# Altium PCB CC_V1.4.PcbDoc (part 6 of 8)
Units mm, origin at the board's own origin, x right, y up, seen from the top; angles counter-clockwise.
Board outline 145 x 123.85 mm, 4 copper layers (Top, GND, Power Plane, Bottom), stack 1.573 mm thick; 334 components, 307 nets, 1570 pads, 1725 vias.
Unrouted connection lines stored in the file: 33.
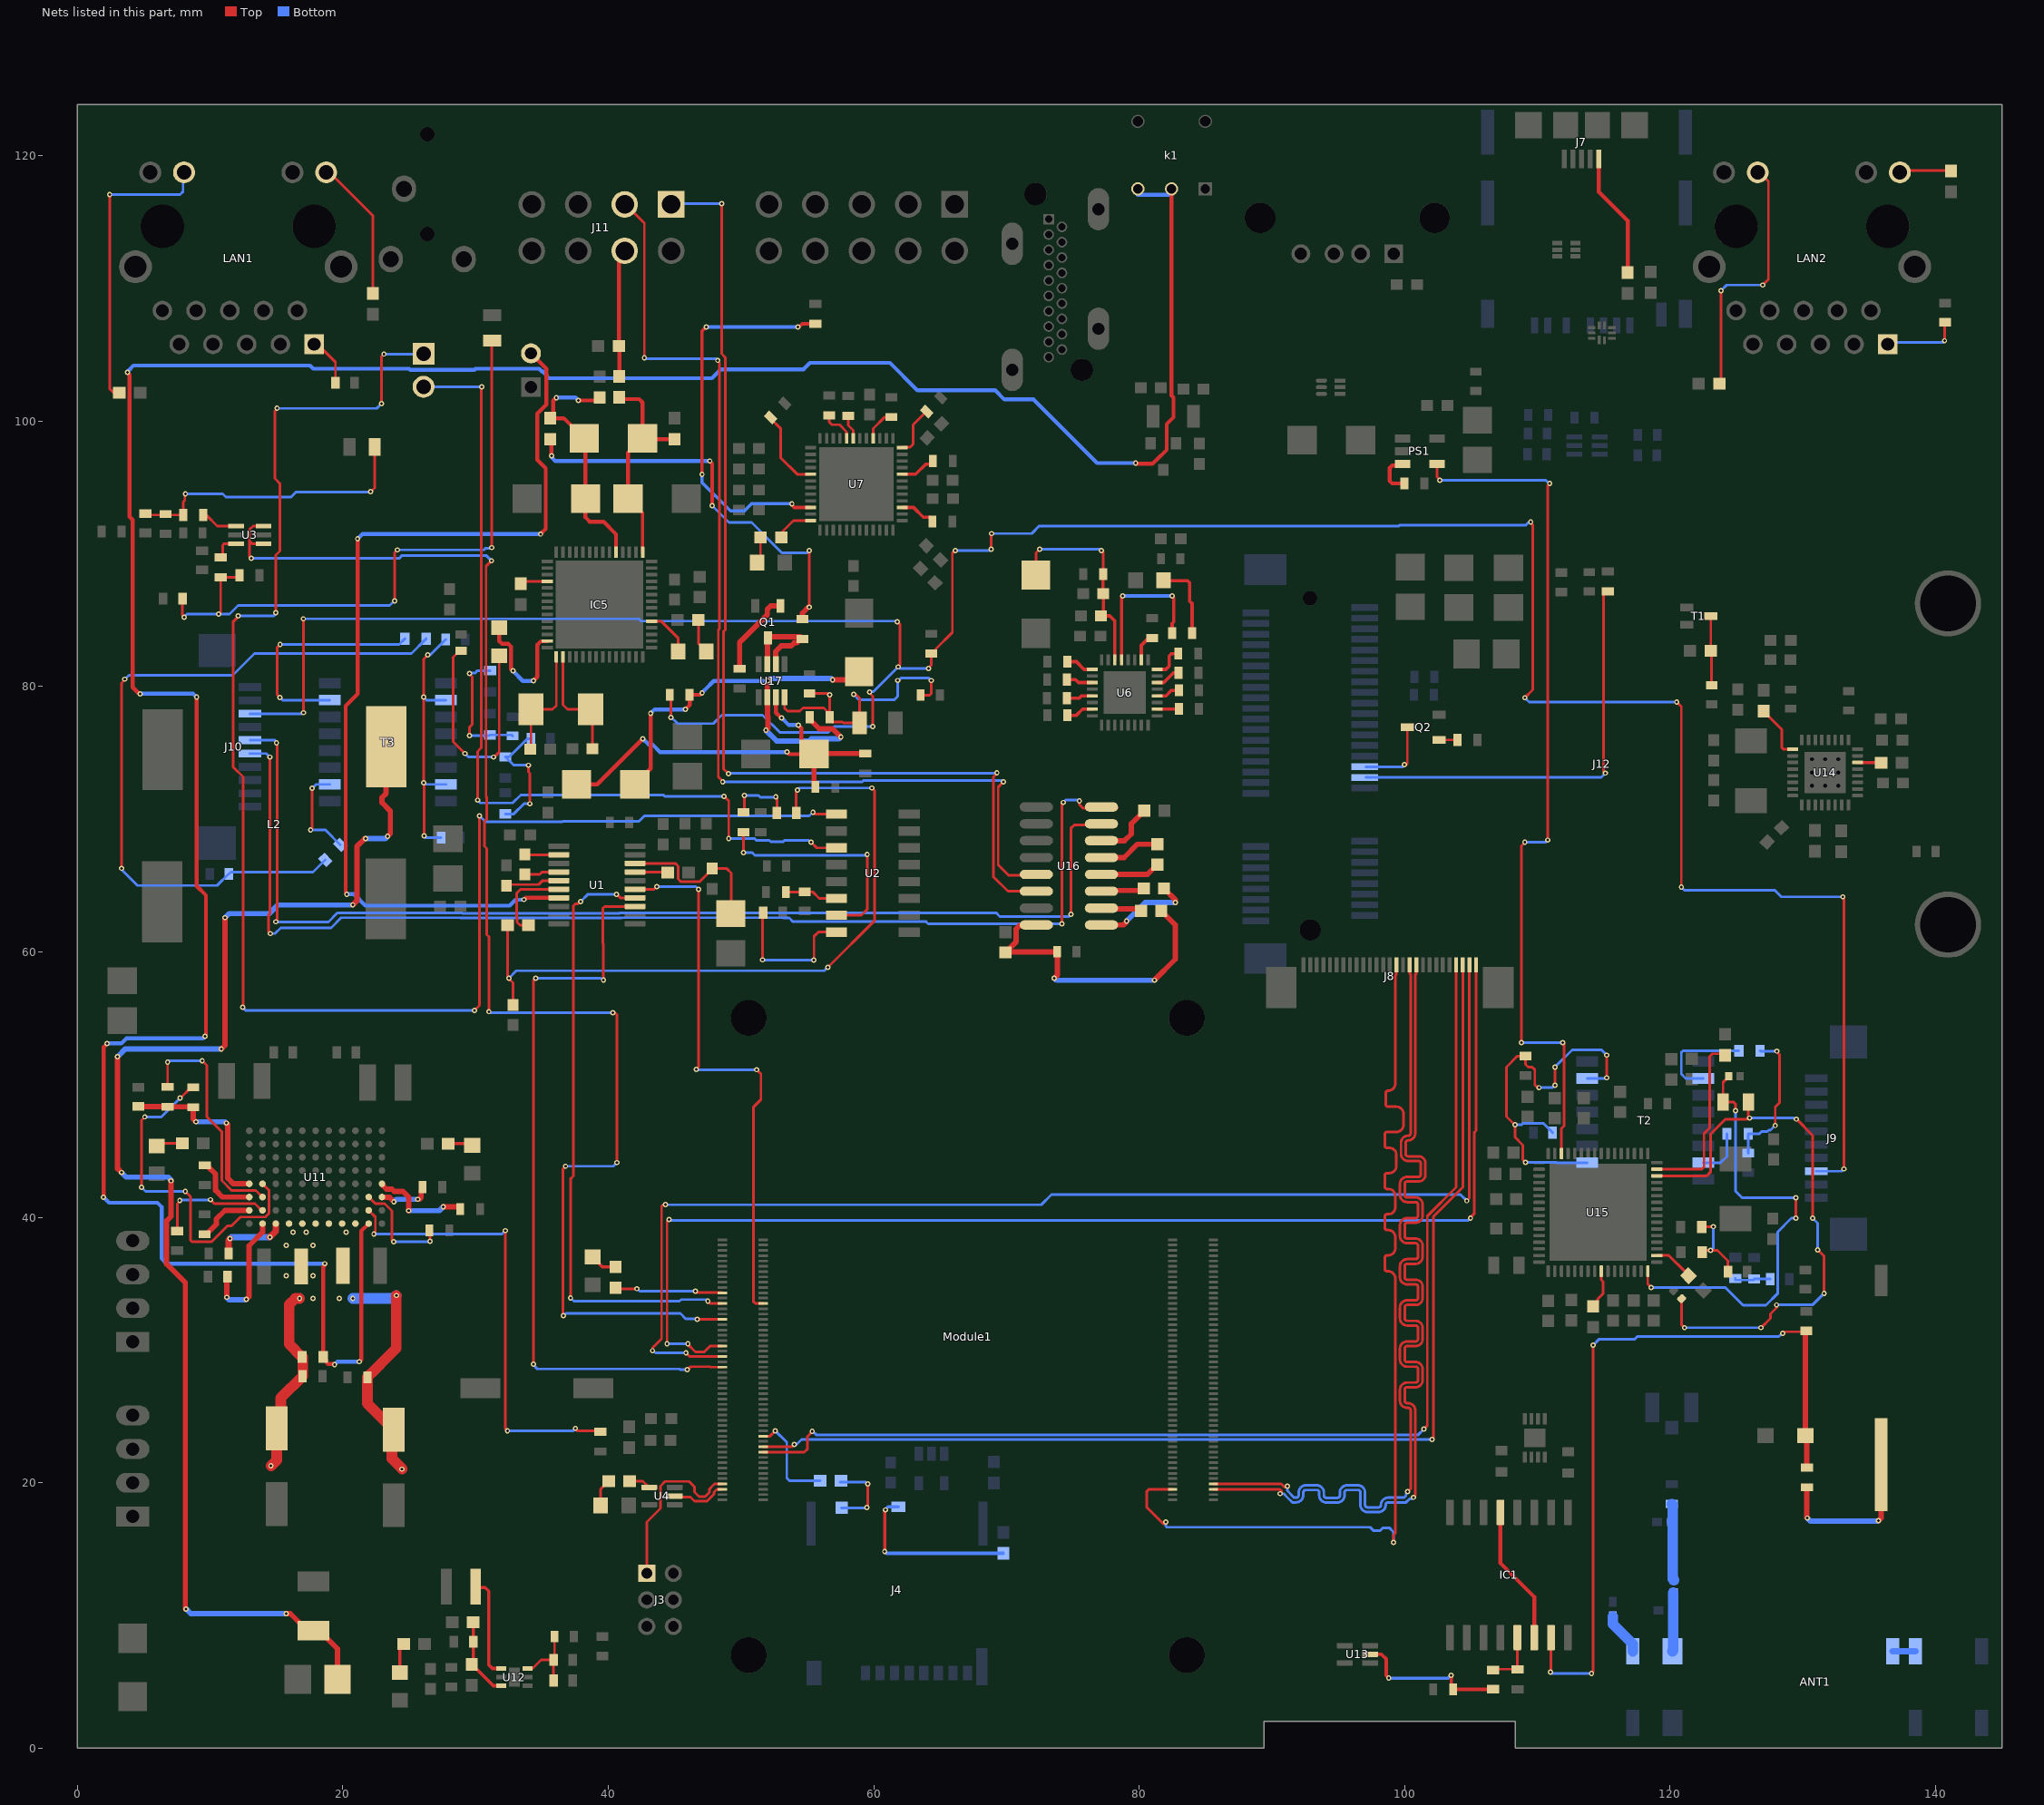
[diagram p8: the nets of this part, all layers, seen from the top]

## Via types
v1: diameter 0.4, hole 0.2, Top to Bottom, 1319 vias
v2: diameter 0.7, hole 0.4, Top to Bottom, 378 vias
v3: diameter 1.27, hole 0.711, Top to Bottom, 28 vias

## Nets (pads, with @x,y where several pads share a name; then routed paths per layer and width w, separated by ;. In a path a pad name is that pad's centre, name@x,y a point inside that pad or via, vN(x,y) a via of type N, cw(c..) or ccw(c..) an arc to the next point about the centre after c; other vN are vias at no path point) (continued)
MIPI_TD2_P: J8.15 Module1.195 | length 73.5
  Top w0.2: v1(81.991,17.043) 81.864,16.916 81.788,16.916 80.577,18.127 80.577,19.351 80.74,19.513 81.499,19.513 81.502,19.51 Module1.195@82.511,19.51 ; v1(99.162,15.494) 99.162,16.045 99.296,16.18 99.296,16.3 99.296,16.916 99.296,35.11 99.296,35.385 ccw(c98.746,35.385) 98.746,35.935 98.676,35.935 cw(c98.676,36.115) 98.496,36.115 98.496,36.955 cw(c98.676,36.955) 98.676,37.135 98.766,37.135 ccw(c98.766,37.665) 99.296,37.665 99.296,38.505 ccw(c98.766,38.505) 98.766,39.035 98.676,39.035 cw(c98.676,39.215) 98.496,39.215 98.496,40.055 cw(c98.676,40.055) 98.676,40.235 98.766,40.235 ccw(c98.766,40.765) 99.296,40.765 99.296,41.605 ccw(c98.766,41.605) 98.766,42.135 98.676,42.135 cw(c98.676,42.315) 98.496,42.315 98.496,43.155 cw(c98.676,43.155) 98.676,43.335 98.84,43.335 ccw(c98.84,43.865) 99.37,43.865 99.37,44.705 ccw(c98.84,44.705) 98.84,45.235 98.676,45.235 cw(c98.676,45.415) 98.496,45.415 98.496,46.255 cw(c98.676,46.255) 98.676,46.435 99.375,46.435 ccw(c99.375,46.965) 99.905,46.965 99.905,47.805 ccw(c99.375,47.805) 99.375,48.335 98.746,48.335 cw(c98.746,48.515) 98.566,48.515 98.566,49.355 cw(c98.746,49.355) 98.746,49.535 ccw(c98.746,50.085) 99.296,50.085 99.296,57.957 99.296,58.228 99.371,58.303 J8.15@99.371,58.953
  Bottom w0.2: v1(81.991,17.043) 81.991,16.732 82.077,16.646 97.393,16.646 97.637,16.403 98.169,16.403 98.373,16.607 98.832,16.607 99.157,16.282 v1@99.157,15.499
MIPI_TD3_N: J8.17 Module1.194 | length 72.9
  Top w0.2: Module1.194@85.591,19.91 86.717,19.91 90.694,19.91 90.951,19.653 91.078,19.653 v1(91.161,19.736) ; v1(100.225,19.325) 100.45,19.55 100.45,25.173 100.45,25.448 ccw(c100.25,25.448) 100.25,25.648 100.176,25.648 cw(c100.176,26.178) 99.646,26.178 99.646,27.018 cw(c100.176,27.018) 100.176,27.548 100.82,27.548 ccw(c100.82,27.728) 101,27.728 101,28.568 ccw(c100.82,28.568) 100.82,28.748 100.176,28.748 cw(c100.176,29.278) 99.646,29.278 99.646,30.118 cw(c100.176,30.118) 100.176,30.648 100.82,30.648 ccw(c100.82,30.828) 101,30.828 101,31.668 ccw(c100.82,31.668) 100.82,31.848 100.176,31.848 cw(c100.176,32.378) 99.646,32.378 99.646,33.218 cw(c100.176,33.218) 100.176,33.748 100.82,33.748 ccw(c100.82,33.928) 101,33.928 101,34.768 ccw(c100.82,34.768) 100.82,34.948 100.176,34.948 cw(c100.176,35.478) 99.646,35.478 99.646,36.318 cw(c100.176,36.318) 100.176,36.848 100.82,36.848 ccw(c100.82,37.028) 101,37.028 101,37.868 ccw(c100.82,37.868) 100.82,38.048 100.176,38.048 cw(c100.176,38.578) 99.646,38.578 99.646,39.418 cw(c100.176,39.418) 100.176,39.948 100.82,39.948 ccw(c100.82,40.128) 101,40.128 101,40.968 ccw(c100.82,40.968) 100.82,41.148 100.176,41.148 cw(c100.176,41.678) 99.646,41.678 99.646,42.518 cw(c100.176,42.518) 100.176,43.048 101.03,43.048 ccw(c101.03,43.228) 101.21,43.228 101.21,44.068 ccw(c101.03,44.068) 101.03,44.248 100.25,44.248 cw(c100.25,44.778) 99.72,44.778 99.72,45.618 cw(c100.25,45.618) 100.25,46.148 ccw(c100.25,46.348) 100.45,46.348 100.45,57.9 100.45,58.3 100.375,58.375 J8.17@100.375,59.025
  Bottom w0.2: v1(91.161,19.736) 91.161,19.389 91.676,18.874 91.811,18.874 ccw(c91.811,19.074) 92.011,19.074 92.011,19.272 cw(c92.541,19.272) 92.541,19.802 93.381,19.802 cw(c93.381,19.272) 93.911,19.272 93.911,19.042 ccw(c94.091,19.042) 94.091,18.862 94.931,18.862 ccw(c94.931,19.042) 95.111,19.042 95.111,19.272 cw(c95.641,19.272) 95.641,19.802 96.481,19.802 cw(c96.481,19.272) 97.011,19.272 97.011,18.323 ccw(c97.191,18.323) 97.191,18.143 98.031,18.143 ccw(c98.031,18.323) 98.211,18.323 98.211,18.324 cw(c98.761,18.324) 98.761,18.874 99.792,18.874 99.951,18.874 100.095,19.018 100.095,19.195 v1(100.225,19.325)
MIPI_TD3_P: J8.18 Module1.196 | length 73.6
  Top w0.2: Module1.196@85.591,19.51 86.717,19.51 90.599,19.51 90.694,19.415 90.703,19.406 90.703,19.279 v1(90.602,19.177) ; v1(100.649,18.901) 100.8,19.051 100.8,25.173 100.8,25.448 ccw(c100.25,25.448) 100.25,25.998 100.176,25.998 cw(c100.176,26.178) 99.996,26.178 99.996,27.018 cw(c100.176,27.018) 100.176,27.198 100.82,27.198 ccw(c100.82,27.728) 101.35,27.728 101.35,28.568 ccw(c100.82,28.568) 100.82,29.098 100.176,29.098 cw(c100.176,29.278) 99.996,29.278 99.996,30.118 cw(c100.176,30.118) 100.176,30.298 100.82,30.298 ccw(c100.82,30.828) 101.35,30.828 101.35,31.668 ccw(c100.82,31.668) 100.82,32.198 100.176,32.198 cw(c100.176,32.378) 99.996,32.378 99.996,33.218 cw(c100.176,33.218) 100.176,33.398 100.82,33.398 ccw(c100.82,33.928) 101.35,33.928 101.35,34.768 ccw(c100.82,34.768) 100.82,35.298 100.176,35.298 cw(c100.176,35.478) 99.996,35.478 99.996,36.318 cw(c100.176,36.318) 100.176,36.498 100.82,36.498 ccw(c100.82,37.028) 101.35,37.028 101.35,37.868 ccw(c100.82,37.868) 100.82,38.398 100.176,38.398 cw(c100.176,38.578) 99.996,38.578 99.996,39.418 cw(c100.176,39.418) 100.176,39.598 100.82,39.598 ccw(c100.82,40.128) 101.35,40.128 101.35,40.968 ccw(c100.82,40.968) 100.82,41.498 100.176,41.498 cw(c100.176,41.678) 99.996,41.678 99.996,42.518 cw(c100.176,42.518) 100.176,42.698 101.03,42.698 ccw(c101.03,43.228) 101.56,43.228 101.56,44.068 ccw(c101.03,44.068) 101.03,44.598 100.25,44.598 cw(c100.25,44.778) 100.07,44.778 100.07,45.618 cw(c100.25,45.618) 100.25,45.798 ccw(c100.25,46.348) 100.8,46.348 100.8,57.9 100.8,58.3 100.875,58.375 J8.18@100.875,59.025
  Bottom w0.2: v1(90.602,19.177) 90.878,19.177 91.161,18.894 91.531,18.524 91.811,18.524 ccw(c91.811,19.074) 92.361,19.074 92.361,19.272 cw(c92.541,19.272) 92.541,19.452 93.381,19.452 cw(c93.381,19.272) 93.561,19.272 93.561,19.042 ccw(c94.091,19.042) 94.091,18.512 94.931,18.512 ccw(c94.931,19.042) 95.461,19.042 95.461,19.272 cw(c95.641,19.272) 95.641,19.452 96.481,19.452 cw(c96.481,19.272) 96.661,19.272 96.661,18.323 ccw(c97.191,18.323) 97.191,17.793 98.031,17.793 ccw(c98.031,18.323) 98.561,18.323 98.561,18.324 cw(c98.761,18.324) 98.761,18.524 99.792,18.524 100.096,18.524 100.137,18.565 100.343,18.771 100.52,18.771 v1(100.649,18.901)
MIPI_TP_I2C_SCL: J8.25 Module1.80 | length 87.6
  Top w0.2: Module1.80@51.671,22.71 53.825,22.71 v1(54,22.885) ; v1(102.066,23.266) 102.15,23.35 102.15,40.047 104.371,42.268 104.371,59.26 J8.25@104.369,59.263
  Bottom w0.2: v1(54,22.885) 54.178,22.885 54.559,23.266 v1(102.066,23.266)
MIPI_TP_I2C_SDA: J8.24 Module1.82 | length 87.2
  Top w0.2: Module1.82@51.671,22.31 51.68,22.301 54.763,22.301 55.016,22.555 55.016,23.506 55.364,23.853 v1(55.364,23.865) ; v1(101.45,24.05) 101.7,24.3 101.7,40.092 103.871,42.263 J8.24@103.871,58.953
  Bottom w0.2: v1(55.364,23.865) 55.418,23.865 55.667,23.616 58.603,23.616 100.9,23.616 101.016,23.616 v1(101.45,24.05)
MIPI_TP_INT: J8.27 Module1.41 | length 93.6
  Top w0.2: v1(44.425,30.48) 44.425,39.7 44.552,39.827 v1(44.577,39.827) ; v1(45.999,30.48) 45.999,30.425 46.564,29.86 47.235,29.86 47.685,30.31 Module1.41@48.591,30.31 ; v1(104.953,39.929) 104.953,39.983 105.227,40.258 105.227,46.382 105.371,46.526 J8.27@105.371,58.953
  Bottom w0.2: v1(44.425,30.48) v1(45.999,30.48) ; v1(44.577,39.827) 44.631,39.773 104.797,39.773 v1@104.831,39.807
MIPI_TP_RST: J8.26 Module1.45 | length 95.4
  Top w0.2: v1(43.332,29.947) 43.332,30.171 44.018,30.857 44.018,40.818 44.145,40.945 44.272,40.945 v1(44.298,40.97) ; v1(45.857,29.784) 46.131,29.51 Module1.45@48.591,29.51 ; 104.871,41.448 J8.26@104.871,58.953
  Bottom w0.2: v1(43.332,29.947) 43.387,29.947 43.549,29.784 v1(45.857,29.784) ; v1@44.298,40.945 72.288,40.945 72.62,40.945 73.395,41.72 104.203,41.72 v1(104.673,41.25) ; v1(44.298,40.97) v1@44.298,40.996
NetANT1_2: ANT1.2 ANT1.3 | length 1.7
  Bottom w0.5: ANT1.3@136.775,7.3 ANT1.2@138.475,7.3
NetANT1_4: ANT1.4 C129.2 L5.2 | length 4.4
  Bottom w0.8: ANT1.4@120.175,7.3 120.225,7.35 L5.2@120.225,10.375 C129.2@120.225,11.708
NetANT1_5: ANT1.5 L4.2 | length 3.2
  Bottom w0.8: L4.2@115.675,9.925 115.675,9.35 117.175,7.85 ANT1.5@117.175,7.3
NetBAT1_1: BAT1.1 R55.2 | length 12
  Top w0.2: v1@130.3,17.37 v1(130.335,17.335)
  Top w0.4: v1@130.3,17.37 R55.2@130.3,19.65 ; v1(135.69,17.145) 135.71,17.145 135.9,17.335 BAT1.1@135.9,21.35
  Bottom w0.4: v1(130.335,17.335) 130.552,17.117 v1@135.658,17.117
NetC4_1: C4.1 U1.2 | length 2.6
  Top w0.2: C4.1@33.725,67.362 33.762,67.325 U1.2@36.28,67.325
NetC4_2: C4.2 U1.4 | length 2.6
  Top w0.2: C4.2@33.725,65.838 34.838,65.838 35.025,66.025 U1.4@36.28,66.025
NetC5_1: C5.1 U2.8 | length 11.1
  Top w0.2: v1(51.625,59.4) 51.625,62.9 C5.1@51.675,62.95 ; v1(55.475,59.374) 55.5,59.399 55.5,61.175 55.815,61.49 U2.8@57.199,61.49
  Bottom w0.2: v1(51.625,59.4) 51.638,59.387 55.462,59.387 v1(55.475,59.374)
NetC8_1: C8.1 U1.5 | length 4.1
  Top w0.2: C8.1@32.325,64.988 32.412,65.075 34.755,65.075 35.055,65.375 U1.5@36.28,65.375
NetC9_1: C9.1 C10.2 U1.18 | length 12.4
  Top w0.2: U1.18@42.02,66.675 45.043,66.675 45.26,66.458 45.26,65.497 45.476,65.28 46.87,65.28 47.825,66.236 C10.2@47.825,66.274 48.931,66.274 49.253,65.952 C9.1@49.253,62.455
NetC11_1: C11.1 R2.1 | length 5
  Top w0.2: R2.1@50.175,70.525 50.25,70.6 v1(50.25,71.8) ; v1(52.625,71.675) 52.7,71.6 C11.1@52.7,70.475
  Bottom w0.2: v1(50.25,71.8) 51.292,71.8 51.446,71.646 52.596,71.646 v1(52.625,71.675)
NetC11_2: C11.2 C12.2 R3.2 | length 53.5
  Top w0.2: R3.2@32.413,62.025 32.413,58.2 32.513,58.099 v1(32.513,58.025) 32.513,57.971 32.815,57.669 C12.2@32.815,56.012 32.815,55.974 C12.2@33.122,55.668 ; C11.2@54.15,70.475 54.15,72.04 54.256,72.146 v1(54.256,72.2) ; v1(56.533,58.83) 60.075,62.372 60.075,72.125 v1(59.848,72.352)
  Bottom w0.2: v1(32.513,58.025) 33.067,58.579 56.262,58.579 56.513,58.83 v1(56.533,58.83) ; v1(54.256,72.2) 54.408,72.352 v1(59.848,72.352)
NetC13_2: C13.2 R4.1 U2.6 | length 4
  Top w0.2: R4.1@53.375,64.5 54.775,64.5 C13.2@54.8,64.525 55.4,64.525 55.895,64.03 U2.6@57.199,64.03
NetC16_2: C16.2 C18.1 R6.2 R9.2 | length 49
  Top w0.2: C18.1@7.95,86.65 C18.1@7.925,86.625 7.925,85.35 v1(8.05,85.225) ; v1(10.65,85.45) 10.65,85.425 10.8,85.575 R6.2@10.8,88.225 12.075,88.225 R9.2@12.225,88.375 ; v1(23.905,86.438) 23.912,86.445 23.912,90.108 v1(24.1,90.295) ; v1(31.228,90.462) 31.228,106.051 C16.2@31.247,106.07
  Bottom w0.2: v1(8.05,85.225) 8.025,85.225 8.25,85.45 v1(10.65,85.45) 11.467,85.45 12.121,86.104 23.532,86.104 23.865,86.438 v1(23.905,86.438) ; v1(24.1,90.295) 30.628,90.295 30.758,90.424 31.19,90.424 v1(31.228,90.462)
NetC19_1: C19.1 C20.2 R8.2 R10.2 | length 22.3
  Top w0.2: C19.1@5.125,93.025 5.225,92.925 6.65,92.925 R8.2@7.975,92.925 7.975,93.912 8.098,94.035 8.098,94.474 v1(8.136,94.513) ; v1(22.103,94.683) 22.123,94.683 22.4,94.96 C20.2@22.4,98.057
  Bottom w0.2: v1(8.136,94.513) 10.947,94.513 11.191,94.269 16.101,94.269 16.473,94.641 22.061,94.641 v1(22.103,94.683)
NetC23_2: C23.2 LAN1.1 | length 3.8
  Top w0.2: LAN1.1@17.838,106.047 19.443,104.442 C23.2@19.443,102.88
NetC27_2: C27.2 C28.2 D1.2 R29.1 U6.30 | length 16
  Top w0.2: D1.2@72.225,88.4 72.225,90.075 v1(72.5,90.35) ; v1(77.15,90.25) 77.125,90.25 77.275,90.1 R29.1@77.275,88.471
  Top w0.254: R29.1@77.275,88.471 77.275,87.022 C27.2@77.3,86.998 77.3,85.499 C28.2@77.122,85.321 77.782,85.321 78.162,84.941 U6.30@78.162,81.993
  Bottom w0.2: v1(72.5,90.35) 77.05,90.35 v1(77.15,90.25)
NetC44_1: C44.1 C47.2 R38.2 R41.2 U11.D1 U11.E1 U11.F1 | length 14.5
  Top w0.8: v1(14.587,21.275) 15.025,21.712 C44.1@15.025,24.1 15.324,24.399 15.324,26.374 R38.2@16.975,28.025 R41.2@16.975,29.475 ; v1(16.746,33.888) 16.419,33.888 15.95,33.419 15.95,30.45 R41.2@16.925,29.475
  other v1: 17.746,33.888 15.746,35.596 17.746,35.596 15.746,37.888 17.746,37.888 16.246,38.888 17.246,38.888
NetC46_1: C46.1 L1.1 L2.1 | length 103.3
  Top w0.4: v1(3.035,52.108) 3.035,43.67 v1(3.329,43.376) ; v1(7.065,42.753) 7.065,40.07 6.718,39.722 6.718,36.494 8.132,35.081 v1@8.132,10.49 ; v1(10.837,52.695) 10.862,52.695 11.121,52.954 v1(11.121,62.579) ; v1(15.746,10.139) 16.05,10.139 17.334,8.855 L1.1@17.784,8.855 18.234,8.855 19.602,7.486 C46.1@19.602,5.185 ; v1(20.746,63.538) 21.061,63.852 21.061,67.943 21.652,68.534 v1(21.718,68.534) ; L2.1@23.266,75.459 23.266,71.947 22.95,71.632 22.95,71.261 22.942,71.253 23.578,70.617 23.578,68.914 v1(23.373,68.708)
  Bottom w0.4: v1(3.035,52.108) 3.622,52.695 v1(10.837,52.695) ; v1(3.329,43.376) 3.676,43.029 6.831,43.029 7.065,42.795 v1(7.065,42.753) ; v1(8.193,10.49) 8.544,10.139 v1(15.746,10.139) ; v1(11.121,62.579) 11.43,62.888 14.446,62.888 15.096,63.538 v1(20.746,63.538) ; v1(21.718,68.534) 23.198,68.534 v1(23.373,68.708)
NetC50_1: C50.1 C51.2 R40.2 U11.G1 U11.H1 U11.J1 | length 18.6
  Top w0.8: v1(24.029,34.112) 24.029,30.129 22.775,28.875 22.775,28.872 22.453,28.55 22.45,28.55 R40.2@21.85,27.95 21.85,25.975 C50.1@23.825,24 23.703,23.878 23.703,21.815 24.463,21.055 v1(24.463,21.02)
  Bottom w0.8: v1(20.746,33.888) 23.805,33.888 v1(24.029,34.112)
  other v1: 19.746,33.888 20.246,38.888
NetC54_2: C54.2 R48.1 R49.2 U11.A4 | length 13.7
  Top w0.4: C54.2@4.6,48.35 6.775,48.35 R49.2@6.8,48.325 8.7,48.325 R48.1@8.725,48.3 8.725,47.4 v1(8.925,47.2) ; v1(11.221,47.1) 11.325,46.996 11.325,42.956 11.756,42.525 U11.A4@12.95,42.525
  Bottom w0.4: v1(8.925,47.2) 11.121,47.2 v1(11.221,47.1)
NetC55_2: C55.2 U11.B2 | length 9
  Top w0.2: C55.2@7.518,38.959 7.54,38.982 7.54,41.027 7.719,41.206 v1(7.719,41.26) ; v1(10.025,41.325) 10.325,41.025 13.375,41.025 13.875,40.525 U11.B2@13.95,40.525
  Bottom w0.2: v1(7.719,41.26) 7.752,41.293 9.992,41.293 v1(10.025,41.325)
NetC56_2: C56.2 U11.B1 | length 9.4
  Top w0.254: U11.B1@13.95,39.325 U11.B1@13.95,39.525
  Top w0.4: v1(11.25,33.975) 11.25,35.475 C56.2@11.3,35.525 ; v1(12.725,33.825) 12.929,34.029 12.929,37.854 13.95,38.875 U11.B1@13.95,39.325
  Bottom w0.4: v1(11.25,33.975) 11.45,33.775 12.675,33.775 v1(12.725,33.825)
NetC57_1: C57.1 D3.1 IC1.15 R55.1 | length 57.3
  Top w0.2: v1(110.983,5.727) 111.004,5.749 111.004,8.309 IC1.15@111.025,8.33 ; v1(114.075,5.635) 114.203,5.763 v1(114.203,30.375) ; v1(128.475,31.25) 128.6,31.375 130.175,31.375 C57.1@130.25,31.45 ; D3.1@130.175,23.55 D3.1@130.3,23.425
  Top w0.4: D3.1@130.175,23.55 C57.1@130.175,31.375 ; R55.1@130.3,21.15 D3.1@130.3,23.425
  Bottom w0.2: v1(110.983,5.727) 111.075,5.635 v1(114.075,5.635) ; v1(114.203,30.375) 114.653,30.825 117.337,30.825 117.523,31.011 128.182,31.011 128.421,31.25 v1(128.475,31.25)
NetC59_2: C59.2 R56.1 R58.2 U12.6 | length 6.1
  Top w0.254: R56.1@29.812,9.5 29.825,9.487 C59.2@29.825,8.025 29.825,6.412 R58.2@29.725,6.312 31.337,4.7 U12.6@31.925,4.7
NetC62_1: C62.1 C63.1 FB4.2 U12.3 | length 5.6
  Top w0.2: U12.3@33.925,6 34.3,6 34.95,6.65 C62.1@35.875,6.65 ; C63.1@35.875,5.1 C62.1@35.875,6.65 ; FB4.2@35.95,8.4 35.95,6.725 C62.1@35.875,6.65
NetC65_1: C65.1 R60.1 U13.2 | length 11.8
  Top w0.254: U13.2@97.4,7.07 98.244,7.07 98.603,6.711 98.603,5.47 v1(98.795,5.278) ; v1(103.487,5.495) 103.515,5.467 103.515,4.57 R60.1@103.65,4.435 C65.1@106.655,4.435
  Bottom w0.254: v1(98.795,5.278) 103.27,5.278 v1(103.487,5.495)
NetC66_2: C66.2 LAN2.1 | length 5.7
  Top w0.2: v1(140.665,106.05) 140.665,107.388 C66.2@140.712,107.435
  Bottom w0.2: LAN2.1@136.392,105.92 140.535,105.92 v1(140.665,106.05)
NetC77_1: C77.1 FB8.1 U15.62 | length 43.5
  Top w0.2: U15.62@118.995,43.125 122.748,43.125 123.031,43.408 123.031,46.251 124.18,47.4 125.768,47.4 v1@125.806,47.438 ; C77.1@120.864,33.871 120.843,33.85 120.843,31.925 v1(121.081,31.687) ; FB8.1@125.885,48.7 125.885,47.517 v1@125.806,47.438 ; v1(125.978,47.476) 125.939,47.438 v1@125.806,47.438 ; v1(126.848,31.687) 127.554,32.394 127.554,32.73 128.037,33.213 128.037,33.379 v1(128.018,33.398) ; v1(129.513,47.4) 130.742,46.171 v1(130.742,39.929) ; v1(131.113,37.556) 131.6,37.068 v1(131.6,34.276)
  Bottom w0.2: v1(121.081,31.687) v1(126.848,31.687) ; v1(125.978,47.476) 129.296,47.476 129.333,47.438 129.475,47.438 v1(129.513,47.4) ; v1(128.018,33.398) 130.722,33.398 v1(131.6,34.276) ; v1(130.742,39.929) 131.113,39.558 v1(131.113,37.556)
NetC78_2: C78.2 FB8.2 U15.48 | length 34
  Top w0.2: U15.48@118.31,35.94 118.31,34.977 v1(118.575,34.712) ; C78.2@124.403,50.625 124.403,50.595 123.985,50.177 FB8.2@123.985,48.7 124.751,48.7 124.935,48.516 v1(124.935,48.033) ; v1(129.476,39.929) 129.479,39.932 v1@129.479,41.305
  Bottom w0.2: v1(118.575,34.712) 124.153,34.712 125.49,33.375 127.211,33.375 128.113,34.276 128.113,38.912 129.129,39.929 v1(129.476,39.929) ; v1(124.935,48.033) 124.935,41.96 125.419,41.476 129.263,41.476 129.291,41.448 129.457,41.448 v1(129.476,41.467)
NetC83_2: C83.2 C84.2 T2.2 T2.7 | length 30.9
  Top w0.2: v1@108.254,46.926 108.307,46.872 108.307,46.032 108.904,45.436 108.904,44.333 v1(109.1,44.138) ; v1(108.307,46.979) 108.276,46.979 107.658,47.598 107.658,51.313 108.495,52.15 C83.2@109.1,52.15 109.1,51.525 109.298,51.327 109.602,51.327 109.8,51.129 109.8,49.991 109.965,49.826 109.999,49.826 110.059,49.767 v1(110.113,49.767) ; v1(111.31,49.959) v1(111.31,51.317) ; v1(115.225,50.513) v1(115.225,52.223)
  Bottom w0.2: v1(108.307,46.979) 108.812,46.979 108.908,47.075 110.45,47.075 C84.2@111.15,46.375 ; v1(109.1,44.138) 111.433,44.138 111.45,44.12 T2.2@113.744,44.12 ; v1(110.113,49.767) 111.106,49.767 111.298,49.959 v1(111.31,49.959) ; v1(111.31,51.317) 112.617,52.624 114.824,52.624 v1(115.225,52.223) ; T2.7@113.744,50.47 115.127,50.47 115.171,50.513 v1(115.225,50.513)
NetC85_2: C85.2 R71.1 R72.1 | length 10.8
  Top w0.2: v1(127.915,46.922) 127.915,48.315 128.225,48.624 128.225,52.269 128.021,52.473 v1(128.021,52.527)
  Bottom w0.2: C85.2@125.875,44.825 R71.1@125.875,46.3 126.721,46.3 126.872,46.451 127.291,46.451 127.415,46.574 127.556,46.574 127.904,46.922 v1(127.915,46.922) ; R72.1@126.775,52.55 126.798,52.527 v1(128.021,52.527)
NetC86_2: C86.2 R73.1 R74.1 | length 2.8
  Bottom w0.2: R73.1@124.907,35.385 124.907,35.272 126.24,35.272 R74.1@126.325,35.357 127.523,35.357 C86.2@127.538,35.342
NetC87_2: C87.2 R75.1 R76.1 | length 5.9
  Top w0.2: R76.1@122.385,39.275 122.41,39.3 123.258,39.3 v1(123.256,39.302) ; R75.1@122.41,37.375 122.551,37.516 123.559,37.516 124.35,36.725 C87.2@124.35,35.9
  Bottom w0.2: v1(123.051,37.52) 123.105,37.52 123.246,37.661 123.256,37.661 v1(123.256,39.302)
NetC90_2: C90.2 C91.2 T3.2 T3.7 | length 20.5
  Top w0.2: v1(26.12,68.748) 26.12,72.707 v1(26.083,72.745) v1(26.083,79.193) 26.083,82.063 v1(26.41,82.39)
  Bottom w0.2: v1(26.083,72.745) 26.202,72.625 T3.7@27.778,72.625 ; v1(26.083,79.193) 26.3,78.975 T3.2@27.778,78.975 ; v1(26.12,68.748) 26.13,68.748 26.278,68.6 C90.2@27.404,68.6 ; v1(26.41,82.39) 26.594,82.39 C91.2@27.754,83.55
NetC107_2: C107.2 R77.1 R78.1 | length 55
  Top w0.2: v1(3.329,66.3) 3.329,80.259 3.569,80.498 v1(3.569,80.553)
  Bottom w0.2: v1@3.329,66.206 4.533,65.002 10.519,65.002 11.392,65.875 C107.2@11.429,65.875 11.562,66.008 17.754,66.008 R78.1@18.681,66.934 ; v1(3.569,80.553) 3.578,80.553 3.872,80.846 7.817,80.846 7.821,80.85 11.712,80.85 13.349,82.488 25.166,82.488 R77.1@26.279,83.6
NetC108_2: C108.2 R79.1 R80.1 | length 9.8
  Top w0.2: v1(29.535,76.298) 29.535,76.937 29.739,77.141 29.739,80.732 29.535,80.936 v1(29.535,80.99)
  Bottom w0.2: v1(29.535,76.298) 31.02,76.298 R80.1@31.072,76.35 32.725,76.35 C108.2@32.8,76.275 ; v1(29.535,80.99) 29.567,81.022 29.968,81.022 30.146,81.2 R79.1@31.1,81.2
NetC109_2: C109.2 R81.1 R82.1 | length 9.6
  Top w0.2: v1(33.98,74.065) 33.98,73.565 34.08,73.465 v1(34.08,71.16)
  Bottom w0.2: R82.1@32.25,70.4 32.877,70.4 33.637,71.16 v1(34.08,71.16) ; v1(33.98,74.065) 32.885,74.065 R81.1@32.25,74.7 32.53,74.7 33.88,76.05 C109.2@34.179,76.05
NetC110_1: C110.1 U16.3 | length 3.3
  Top w0.4: U16.3@77.15,64.57 77.207,64.627 80.19,64.627 C110.1@80.343,64.78